# Altium PCB spin5v1_simple.PcbDoc (part 23 of 25)
Units mm, origin at the board's own origin, x right, y up, seen from the top; angles counter-clockwise.
Board outline 220.03 x 233.43 mm, 2 copper layers (TOP, BOTTOM), stack 0.176 mm thick; 1457 components, 4724 nets, 19245 pads, 25289 vias.
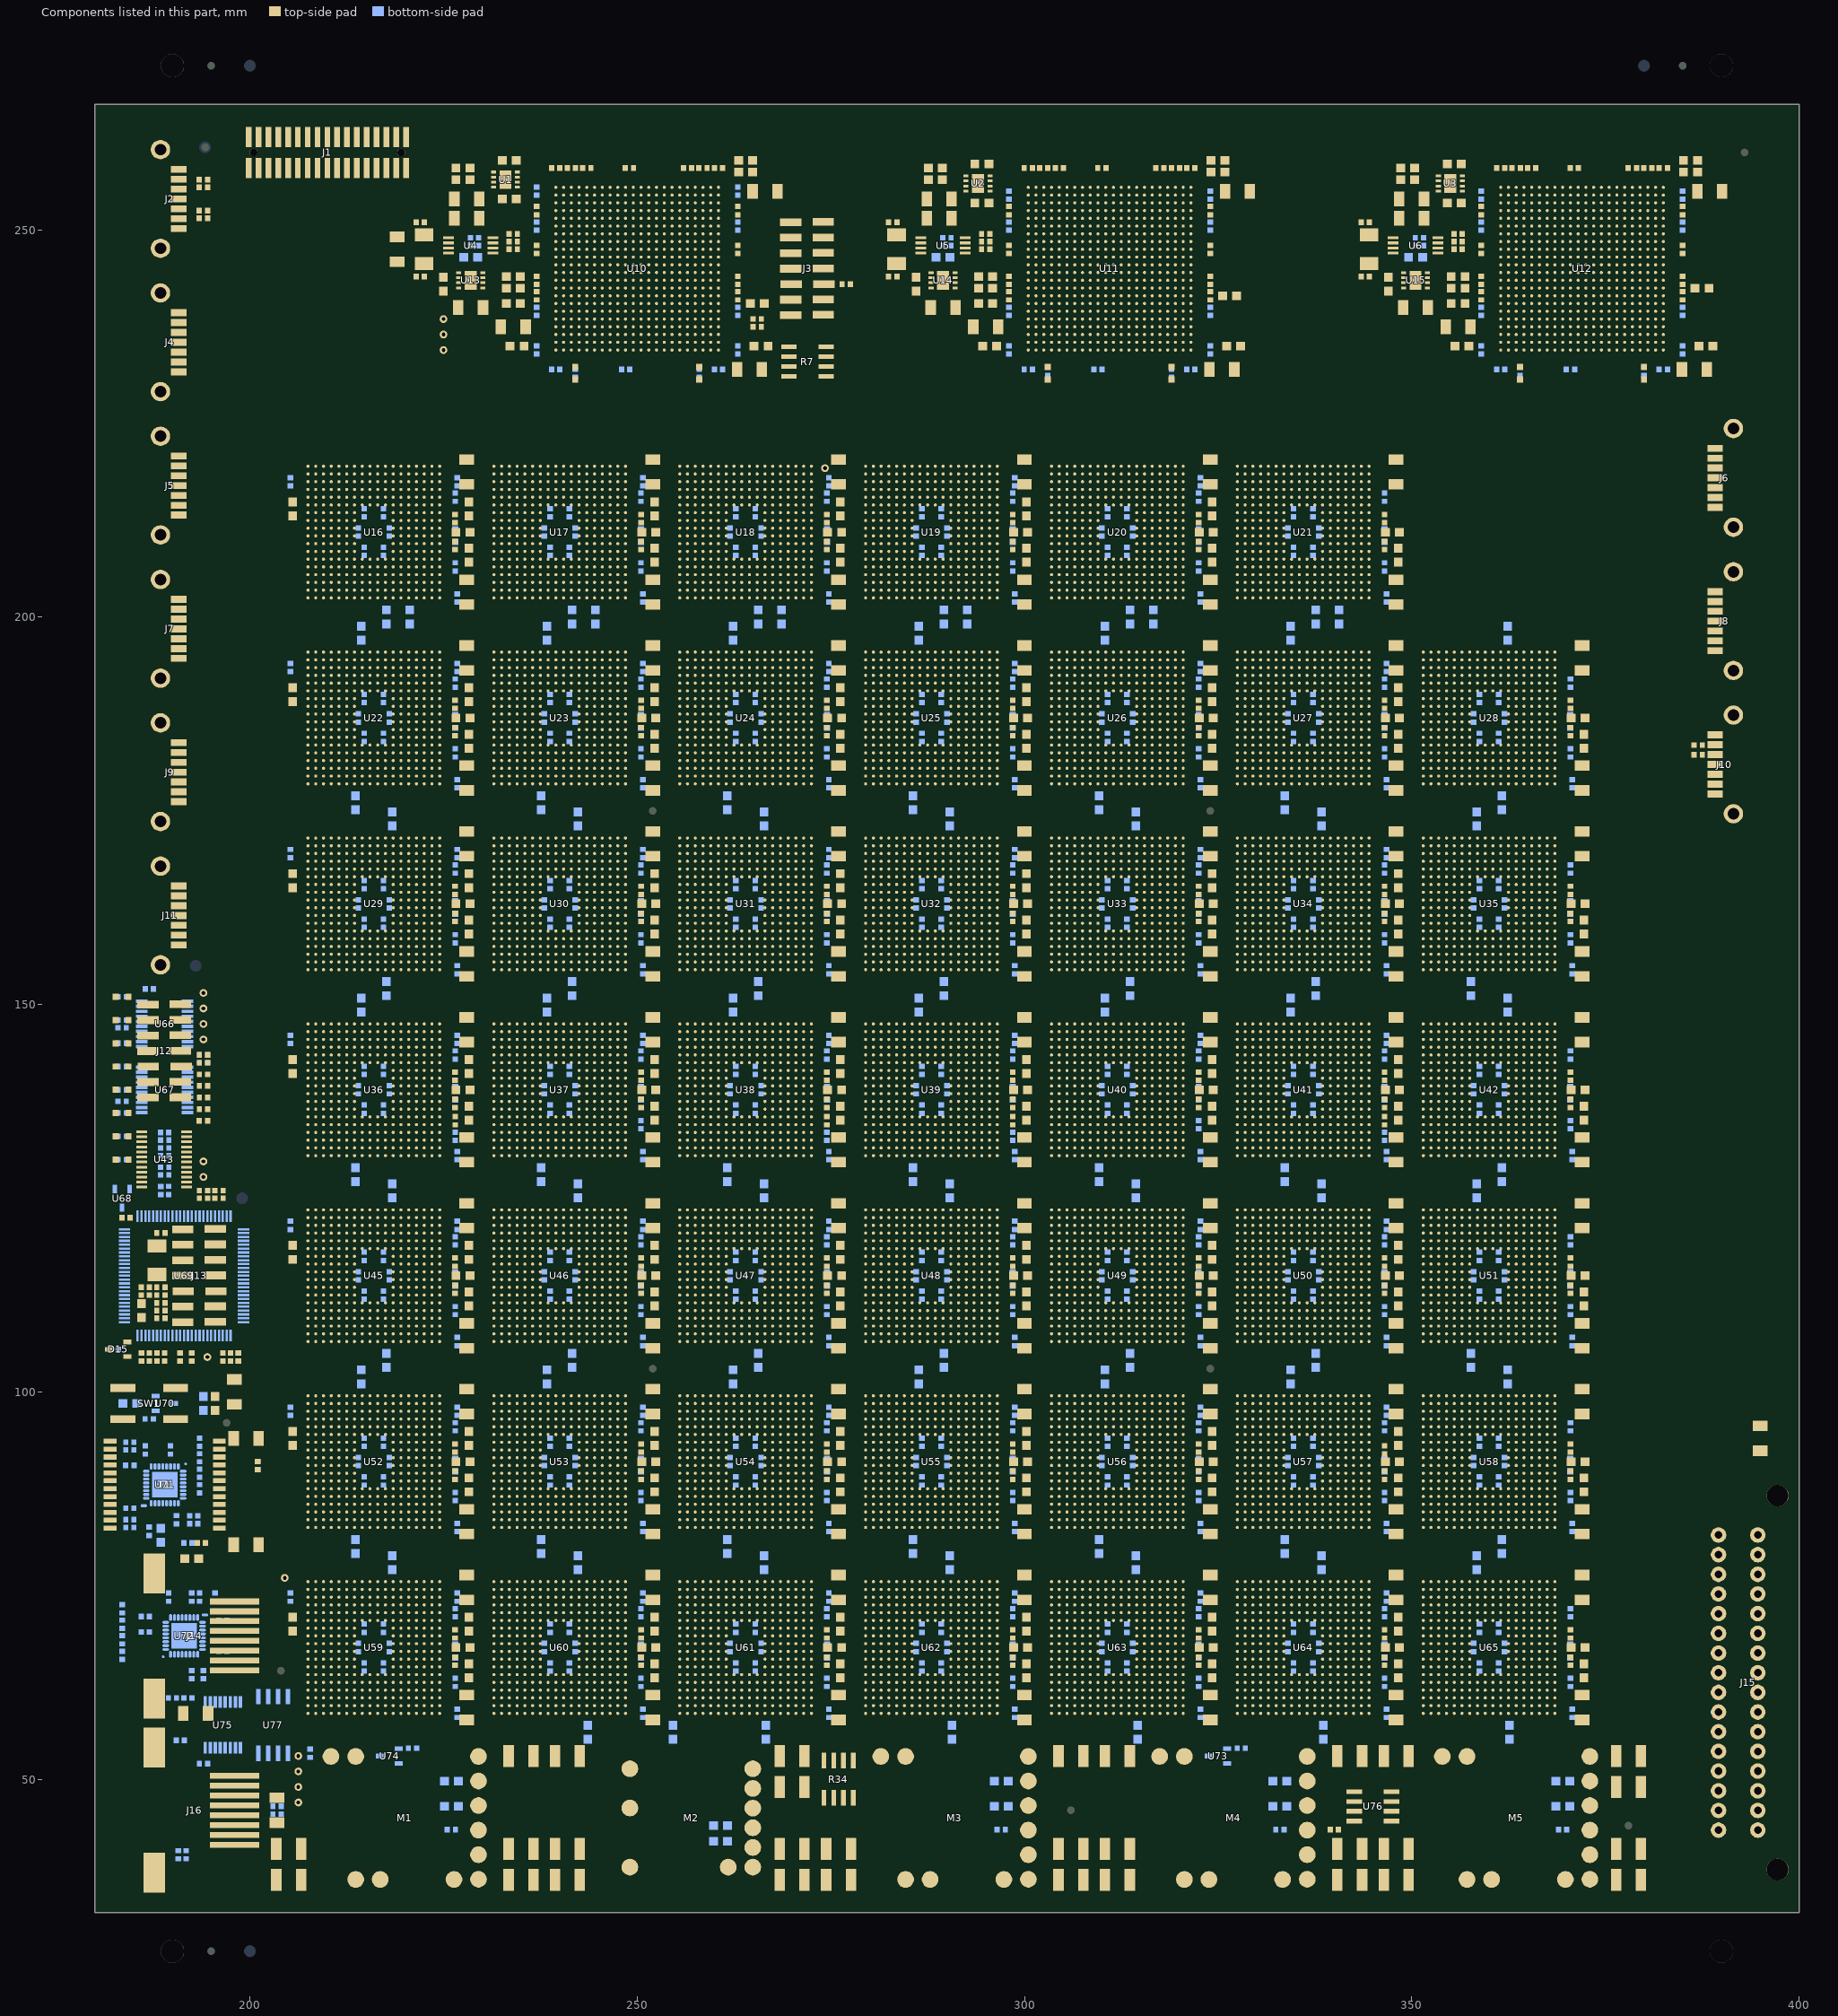
[diagram p23: the components of this part, seen from the top]

## Via types
v1: diameter 0.48, hole 0.25, TOP to BOTTOM, 22348 vias
v2: diameter 0.61, hole 0.3, TOP to BOTTOM, 2059 vias
v3: diameter 0.8, hole 0, TOP to BOTTOM, 882 vias

## Nets (pads, with @x,y where several pads share a name; then routed paths per layer and width w, separated by ;. In a path a pad name is that pad's centre, name@x,y a point inside that pad or via, vN(x,y) a via of type N, cw(c..) or ccw(c..) an arc to the next point about the centre after c; other vN are vias at no path point) (continued)
copper on no net: | length 1093.1
  TOP w0.062: 181.275,164.725 v3@186.538,159.462 ; 181.275,222.675 185.9,227.3 ; 181.6,164.86 182.701,163.759 182.877,163.759 183.316,164.198 183.492,164.198 183.67,164.02 183.67,163.844 183.231,163.405 183.231,163.229 183.409,163.051 183.585,163.051 184.024,163.49 184.2,163.49 184.378,163.312 184.378,163.136 183.939,162.697 183.939,162.521 v3@186.673,159.787 ; 181.6,222.54 186.035,226.975 ; 181.95,82.41 181.95,81.55 183.433,80.067 ; 181.95,84.45 183.083,84.45 184.084,83.449 184.084,80.259 183.892,80.067 ; 181.95,85.47 183.746,85.47 183.778,85.438 184.046,85.438 184.171,85.313 ; 181.95,87.51 182.836,87.51 184.496,85.85 184.496,85.638 ; 182.075,167.365 186.228,163.212 ; 182.075,222.075 186.5,226.5 ; 182.4,167.5 182.984,166.916 183.16,166.916 183.306,167.062 183.482,167.062 183.66,166.884 183.66,166.708 183.514,166.562 183.514,166.386 v3@186.363,163.537 ; 182.4,221.94 186.635,226.175 ; 182.875,215.466 183.366,214.975 ; 182.875,221.535 187.04,225.7 ; 183.2,215.601 183.501,215.3 ; 183.2,221.4 187.175,225.375 ; 183.5,48.857 184.457,47.9 ; 183.825,48.992 v3@184.592,48.225 ; 183.905,215.3 184.03,215.425 184.03,215.929 184.155,216.054 184.405,216.054 184.53,215.929 184.53,215.425 184.655,215.3 ; 183.967,218.962 184.172,219.167 ; 183.967,219.831 184.234,219.564 ; 184.171,83.888 184.927,83.132 ; 184.23,214.975 184.33,214.975 ; 184.369,219.229 184.856,218.742 ; 184.496,84.023 185.252,83.267 ; 184.499,219.559 184.991,219.067 ; 184.927,51.971 186.486,50.412 ; 185.171,215.3 185.296,215.425 185.296,215.872 185.421,215.997 185.671,215.997 185.796,215.872 185.796,215.425 185.921,215.3 ; 185.252,52.106 186.621,50.737 ; 185.496,214.975 185.596,214.975 ; 186.101,47.9 186.226,47.775 186.226,46.944 186.351,46.819 186.601,46.819 186.726,46.944 186.726,47.775 186.851,47.9 ; v3@186.426,48.225 v3@186.526,48.225 ; 187.101,47.9 187.226,47.775 187.226,46.944 187.351,46.819 187.601,46.819 187.726,46.944 187.726,47.775 187.851,47.9 ; v3@187.133,50.412 187.258,50.287 187.258,49.625 187.383,49.5 187.633,49.5 187.758,49.625 187.758,50.287 187.883,50.412 ; 187.426,48.225 187.526,48.225 ; v3@187.458,50.737 v3@187.558,50.737 ; 188.05,218.675 188.255,218.47 ; 188.05,219.134 188.255,219.339 ; 188.101,47.9 188.226,47.775 188.226,46.944 188.351,46.819 188.601,46.819 188.726,46.944 188.726,47.775 188.851,47.9 ; 188.195,159.395 188.4,159.19 ; 188.195,159.854 188.4,160.059 ; 188.311,163.145 188.516,162.94 ; 188.311,163.604 188.516,163.809 ; v3@188.426,48.225 v3@188.526,48.225 ; 188.44,236.971 188.645,237.176 ; 188.44,237.84 188.645,237.635 ; 188.579,214.908 188.784,214.703 ; 188.579,215.367 188.784,215.572 ; 189.101,47.9 189.226,47.775 189.226,46.944 189.351,46.819 189.601,46.819 189.726,46.944 189.726,47.775 189.851,47.9 ; 189.426,48.225 189.526,48.225 ; 190.101,47.9 190.226,47.775 190.226,46.944 190.351,46.819 190.601,46.819 190.726,46.944 190.726,47.775 190.851,47.9 ; 190.3,227.3 192.8,229.8 ; v3@190.426,48.225 v3@190.526,48.225 ; 190.435,226.975 192.935,229.475 ; 190.71,91.722 190.895,91.722 191.325,91.292 191.757,91.292 193.524,93.059 ; 191.044,226.5 193.544,229 ; 191.101,47.9 191.226,47.775 191.226,46.944 191.351,46.819 191.601,46.819 191.726,46.944 191.726,47.775 191.851,47.9 ; 191.179,226.175 193.679,228.675 ; 191.426,48.225 191.526,48.225 ; v1(191.579,91.722) 191.591,91.722 191.711,91.842 191.847,91.842 193.389,93.384 ; 191.7,225.7 194.2,228.2 ; 191.835,225.375 194.335,227.875 ; 192.101,47.9 192.226,47.775 192.226,46.944 192.351,46.819 192.601,46.819 192.726,46.944 192.726,47.775 192.851,47.9 ; v3@192.426,48.225 v3@192.526,48.225 ; 192.975,177.865 193.18,177.66 ; 192.975,178.324 193.18,178.529 ; 192.975,181.675 193.18,181.47 ; 192.975,182.134 193.18,182.339 ; 192.975,196.365 193.18,196.16 ; 192.975,196.824 193.18,197.029 ; 192.975,200.175 193.18,199.97 ; 192.975,200.634 193.18,200.839 ; 192.975,233.365 193.18,233.16 ; 192.975,233.824 193.18,234.029 ; 193.363,50.737 194.038,51.412 ; 193.498,50.412 194.173,51.087 ; 193.874,93.059 194.143,92.79 194.143,92.34 194.639,91.844 195.796,91.844 196.05,91.59 ; 194.199,93.384 195.804,93.384 196.05,93.63 ; 194.502,48.225 194.747,48.47 ; 194.77,47.9 195.015,48.145 ; 196.05,82.41 197.024,82.41 197.835,83.221 ; 196.05,84.45 197.066,84.45 197.835,83.681 ; 196.05,85.47 196.941,85.47 197.704,86.233 ; 196.05,87.51 196.887,87.51 197.704,86.693 ; 196.05,88.53 196.313,88.793 196.939,88.793 ; 196.05,90.57 196.316,90.304 196.871,90.304 197.216,89.959 197.216,89.166 ; 197.192,88.793 197.198,88.793 ; 197.298,88.693 v1(197.926,88.065) ; 197.333,89.118 197.517,88.934 197.523,88.934 v1(197.926,88.934) ; 197.755,48.145 198,47.9 ; 198,44.09 200.795,44.09 201.838,45.133 201.838,47.885 201.253,48.47 198.08,48.47 ; 198,49.17 201.328,49.17 201.453,49.295 201.453,49.518 201.511,49.576 ; 198,50.44 201.328,50.44 201.453,50.315 201.453,50.093 201.511,50.035 ; 198.511,86.199 198.663,86.047 v1(198.768,86.047) ; 198.511,86.659 v1(198.768,86.916) ; v1@199.674,83.234 v1(199.795,83.113) ; 199.674,83.693 199.795,83.814 v1(199.795,83.982) ; 201.708,49.973 202.042,50.307 ; 201.838,49.643 202.367,50.172 ; 201.85,51.087 202.042,50.895 ; 201.985,51.412 202.367,51.03 ; 234.53,247.5 235.029,247.5 235.299,247.77 ; 234.53,248.5 235.028,248.5 235.299,248.229 ; 235.496,248.167 235.83,248.501 ; 235.626,247.837 236.155,248.366 ; 235.83,251.838 235.705,251.963 235.322,251.963 235.197,252.088 235.197,252.338 235.322,252.463 235.705,252.463 235.83,252.588 ; 235.83,258.105 237.55,259.825 ; 236.155,252.163 236.155,252.263 ; 236.155,257.97 237.685,259.5 ; 237.039,257.679 237.073,257.713 ; 237.072,256.777 237.051,256.798 237.051,257.083 237.469,257.501 ; 237.144,257.911 238.233,259 ; 237.54,257.847 238.368,258.675 ; 244.11,255.339 244.5,254.949 244.5,254.5 ; 244.11,256.203 244.565,256.658 ; 244.338,258.675 244.565,258.448 ; 244.435,255.624 244.5,255.559 244.5,255.5 ; 244.435,256.068 244.89,256.523 ; 244.473,259 244.89,258.583 ; 245.304,258.752 245.553,258.502 245.554,258.501 ; 245.597,255.954 245.955,255.596 ; 246.013,258.501 246.173,258.661 246.173,258.752 ; 248.5,254.5 249,255 ; 248.5,255.5 249,256 ; 249.723,259.5 250.705,258.518 ; 249.858,259.825 251.03,258.653 ; 250.705,256.483 250.705,256.313 250.11,255.718 250.11,255.339 250.339,255.11 250.89,255.11 251,255 ; 251,256 251.01,256.01 251.01,256.158 251.03,256.178 ; 252.175,255.82 252.175,255.726 252.11,255.661 252.11,255.339 252.5,254.949 252.5,254.5 ; 252.175,257.175 258.025,263.025 ; 252.5,255.5 252.455,255.455 252.455,255.495 252.5,255.54 ; 252.5,257.04 258.16,262.7 ; 254.5,254.5 254.837,254.837 255.098,254.837 255.11,254.849 255.11,255.46 ; 254.5,255.5 254.656,255.656 ; 254.785,255.796 255.088,256.099 ; 255.088,259.207 256.381,260.5 ; 255.239,255.79 255.413,255.964 ; 255.413,259.072 256.516,260.175 ; 277.319,260.175 278.367,259.127 ; 277.454,260.5 278.692,259.262 ; 278.367,254.585 278.369,254.583 278.369,254.395 ; 278.369,253.463 279.408,252.424 ; 278.692,254.908 278.692,254.72 278.694,254.718 ; 278.694,253.598 279.543,252.749 ; 279.122,254.898 279.122,255.159 279.552,255.589 279.552,255.945 279.447,256.05 ; 279.122,259.122 282.225,262.225 ; 279.447,258.987 282.36,261.9 ; 281.312,252.359 281.574,252.097 281.654,252.097 ; 281.312,252.818 281.394,252.9 281.7,252.9 ; 303.622,259.846 304.089,260.313 304.632,260.313 304.916,260.029 ; 304.491,259.846 304.633,259.704 ; 305.11,255.24 305.11,254.89 305.5,254.5 ; 305.11,256.566 307.996,259.452 ; 305.435,255.565 305.5,255.5 ; 305.435,256.431 308.131,259.127 ; 307,255 307.5,254.5 ; 307,256 307.5,255.5 ; 309.112,260.029 309.186,260.103 309.186,260.165 309.143,260.208 ; 309.247,259.704 309.751,260.208 310.012,260.208 ; 310.584,259.452 310.647,259.452 310.774,259.579 ; 310.782,259.127 310.842,259.187 ; 310.909,259.254 310.972,259.254 ; 310.976,259.646 311.014,259.684 311.119,259.684 ; 311.234,259.254 311.538,259.254 311.574,259.218 ; 311.94,261.9 313.5,260.34 ; 312.075,262.225 313.825,260.475 ; 313.5,254.5 313.5,254.949 313.89,255.339 313.89,255.661 313.825,255.726 ; 333.64,229.8 334.3,230.46 ; 333.775,229.475 334.625,230.325 ; 333.84,229 335.1,230.26 ; 333.975,228.675 335.425,230.125 ; 334.04,228.2 335.9,230.06 ; 334.175,227.875 336.225,229.925 ; 334.3,260.1 336.4,262.2 ; 334.625,259.965 336.535,261.875 ; 335.1,259.66 336.84,261.4 ; 335.425,259.525 336.975,261.075 ; 335.9,259.3 337.2,260.6 ; 336.225,259.165 337.335,260.275 ; 356.53,247.5 357.029,247.5 357.299,247.77 ; 356.53,248.5 357.028,248.5 357.299,248.229 ; 357.496,248.167 357.879,248.55 ; 357.626,247.837 358.204,248.415 ; 357.879,249.869 357.754,249.994 357.355,249.994 357.23,250.119 357.23,250.369 357.355,250.494 357.754,250.494 357.879,250.619 ; 357.879,250.869 357.754,250.994 357.355,250.994 357.23,251.119 357.23,251.369 357.355,251.494 357.754,251.494 357.879,251.619 ; 357.879,256.725 360.928,259.774 ; 358.204,250.194 358.204,250.294 ; 358.204,251.194 358.204,251.294 ; 358.204,256.591 361.062,259.449 ; 361.523,259.449 361.628,259.344 361.984,259.344 362.414,259.774 362.675,259.774 ; 366.19,260.275 366.887,259.578 ; 366.325,260.6 367.212,259.713 ; 366.5,254.5 366.5,254.949 367.07,255.519 ; 366.5,255.5 366.523,255.523 366.567,255.523 366.59,255.5 ; 366.59,255.499 366.745,255.654 ; 366.745,256.641 366.887,256.783 366.887,256.831 ; 367,253 367.5,252.5 ; 367,254 367.5,253.5 ; 367.07,256.458 367.07,256.506 367.212,256.648 ; 368.087,255.263 368.087,254.913 368.5,254.5 ; 368.087,257.241 368.951,258.105 ; 368.412,255.588 368.5,255.5 ; 368.412,257.106 369.086,257.78 ; 369,253 369.5,252.5 ; 369,254 369.5,253.5 ; 369.359,260.592 369.631,260.32 369.892,260.32 370.05,260.162 370.406,260.162 370.511,260.267 ; 369.403,257.713 369.608,257.508 ; 369.403,258.172 369.608,258.377 ; 370,255 370.5,254.5 ; 370,256 370.5,255.5 ; 370.84,260.267 372.745,258.362 ; 370.974,260.592 373.07,258.496 ; 372.745,256.684 372.75,256.679 372.75,256.494 ; 372.75,256.358 372.57,256.178 372.57,256.121 372.11,255.661 372.11,255.339 372.339,255.11 372.89,255.11 373,255 ; 373,256 373.075,256.075 ; 373.07,257.004 373.07,256.819 373.075,256.814 ; 373.1,228.1 373.258,228.1 374.158,229 374.467,229 ; 373.5,252.5 374,253 ; 373.5,253.5 374,254 ; 373.612,261.075 374.509,260.178 ; 373.747,261.4 374.834,260.313 ; 373.947,228.015 374.132,228.015 374.792,228.675 ; 374.433,261.875 375.418,260.89 ; 374.5,254.5 374.5,254.949 374.11,255.339 374.11,255.661 374.509,256.06 ; 374.5,255.5 374.5,255.591 374.834,255.925 ; 374.568,262.2 375.743,261.025 ; 375.418,259.802 375.418,259.614 375.311,259.507 375.311,259.151 375.741,258.721 375.741,258.46 ; 375.741,259.329 375.741,259.477 375.743,259.479 ; 376.5,254.5 376.838,254.838 377.097,254.838 377.11,254.851 377.11,255.461 377.11,255.661 377.111,255.662 ; 376.5,255.5 376.656,255.656 376.786,255.786 376.786,255.986 ; 376.786,259.346 378.84,261.4 ; 377.111,259.211 378.975,261.075 ; 385.475,183.741 385.935,183.281 385.935,183.175 385.935,183.052 386.47,182.517 386.47,182.25 ; 385.475,188.361 387.022,189.908 ; 385.8,183.876 386.176,183.5 386.26,183.5 386.47,183.5 ; 385.8,188.226 387.157,189.583 ; 388.325,261.075 397.8,251.6 ; 388.46,261.4 398.125,251.735 ; 389.964,189.908 390.089,190.033 390.089,190.189 390.214,190.314 390.464,190.314 390.589,190.189 390.589,190.033 390.714,189.908 ; 390.289,189.583 390.389,189.583 ; 391.355,178.865 391.56,178.66 ; 391.355,179.324 391.56,179.529 ; 391.355,197.365 391.56,197.16 ; 391.355,197.824 391.56,198.029 ; 391.355,201.175 391.56,200.97 ; 391.355,201.634 391.56,201.839 ; 391.355,215.865 391.56,215.66 ; 391.355,216.324 391.56,216.529 ; 391.355,219.675 391.56,219.47 ; 391.355,220.134 391.56,220.339 ; v3@393.248,189.908 398.6,195.26 ; v3@393.383,189.583 398.925,195.125 ; 393.9,262.7 398.6,258 ; 394.035,263.025 398.925,258.135 ; 395.54,229 397.8,231.26 ; 395.675,228.675 398.125,231.125
  TOP w0.063: 245,253 245.5,252.5 ; 245,254 245.5,253.5 ; 247,253 247.5,252.5 ; 247,254 247.5,253.5 ; 251.5,252.5 252,253 ; 251.5,253.5 252,254 ; 253.5,252.5 254,253 ; 253.5,253.5 254,254 ; 306,253 306.5,252.5 ; 306,254 306.5,253.5 ; 308,253 308.5,252.5 ; 308,254 308.5,253.5 ; 312.5,252.5 313,253 ; 312.5,253.5 313,254 ; 314.5,252.5 315,253 ; 314.5,253.5 315,254
  BOTTOM w0.062: 181.301,67.956 182.419,66.838 ; 181.301,69.186 181.301,69.286 ; 181.301,75.678 183.863,78.24 ; 181.626,68.091 182.554,67.163 ; 181.626,68.861 181.751,68.986 182.266,68.986 182.391,69.111 182.391,69.361 182.266,69.486 181.751,69.486 181.626,69.611 ; 181.626,75.543 183.998,77.915 ; 182.062,71.194 182.419,70.837 ; 182.062,74.997 184.319,77.254 ; 182.387,71.329 182.554,71.162 ; 182.387,74.862 184.454,76.929 ; 183.26,66.77 183.5,66.53 183.74,66.77 ; 183.26,67.23 183.5,67.47 183.74,67.23 ; 183.26,70.77 183.5,70.53 183.576,70.53 183.811,70.765 ; 183.26,71.23 183.5,71.47 183.565,71.47 183.811,71.224 ; 183.967,218.962 184.4,219.395 184.4,219.563 ; 183.967,219.831 184.018,219.831 184.075,219.888 ; 184.075,259.38 188.52,263.825 ; 184.27,70.797 185.036,70.031 ; 184.4,259.245 188.655,263.5 ; 184.405,71.122 185.171,70.356 ; v3@184.875,184.201 187.321,181.755 ; 184.875,259.341 188.559,263.025 ; v3@185.2,184.336 185.718,183.818 185.894,183.818 186.123,184.047 186.299,184.047 186.477,183.869 186.477,183.693 186.248,183.464 186.248,183.288 187.456,182.08 ; v3@185.2,259.207 188.693,262.7 ; 185.651,76.929 185.776,76.804 185.776,76.33 185.901,76.205 186.151,76.205 186.276,76.33 186.276,76.804 186.401,76.929 ; 185.675,197.379 v3@186.622,196.432 ; 185.675,225.675 186.5,226.5 ; 185.976,77.254 186.076,77.254 ; 186,197.514 v3@186.757,196.757 ; 186,225.54 186.635,226.175 ; 186.275,236.429 189.272,233.432 ; v3@186.275,257.135 187.765,258.625 ; 186.475,201.311 187.544,200.242 ; 186.475,225.135 187.04,225.7 ; 186.493,67.162 187.993,68.662 ; 186.6,236.564 187.194,235.97 187.37,235.97 187.71,236.31 187.886,236.31 188.064,236.132 188.064,235.956 187.724,235.616 187.724,235.44 187.902,235.262 188.078,235.262 188.418,235.602 188.594,235.602 188.772,235.424 188.772,235.248 188.432,234.908 188.432,234.732 189.402,233.762 ; v3@186.6,257 187.9,258.3 ; 186.628,66.837 188.128,68.337 ; 186.8,201.446 187.679,200.567 ; 186.8,225 187.175,225.375 ; v3@187.202,196.757 187.327,196.882 187.327,197.363 187.452,197.488 187.702,197.488 187.827,197.363 187.827,196.882 187.952,196.757 ; 187.209,70.031 187.902,69.338 ; 187.344,70.356 188.037,69.663 ; 187.527,196.432 187.627,196.432 ; v3@187.877,178.431 188.378,177.93 ; 187.877,179.412 188.506,180.041 ; 188.021,200.567 188.146,200.692 188.146,200.819 188.271,200.944 188.521,200.944 188.646,200.819 188.646,200.692 188.771,200.567 ; v3@188.202,178.566 188.513,178.255 ; 188.202,179.277 188.641,179.716 ; 188.202,196.757 188.327,196.882 188.327,197.363 188.452,197.488 188.702,197.488 188.827,197.363 188.827,196.882 188.952,196.757 ; 188.255,218.47 188.46,218.675 ; 188.255,219.339 188.46,219.134 ; 188.346,200.242 188.446,200.242 ; 188.4,159.19 188.605,159.395 ; 188.4,160.059 188.605,159.854 ; 188.44,236.971 188.645,237.176 ; 188.44,237.84 188.645,237.635 ; 188.516,162.94 188.721,163.145 ; 188.516,163.809 188.721,163.604 ; 188.527,196.432 188.627,196.432 ; 188.564,68.27 188.584,68.25 189.125,68.25 ; 188.564,68.729 188.585,68.75 189.125,68.75 ; 188.564,69.271 188.585,69.25 189.125,69.25 ; 188.564,69.73 188.584,69.75 189.125,69.75 ; 188.784,214.703 188.989,214.908 ; 188.784,215.572 188.989,215.367 ; 189.5,226.5 194,231 ; 189.537,233.427 189.657,233.307 189.657,233.085 189.782,232.96 190.28,232.96 ; 189.599,196.365 189.657,196.307 189.657,196.085 189.782,195.96 190.28,195.96 ; 189.599,196.824 189.657,196.882 189.657,197.105 189.782,197.23 190.28,197.23 ; 189.599,200.175 189.657,200.117 189.657,199.895 189.782,199.77 190.28,199.77 ; 189.599,200.634 189.657,200.692 189.657,200.915 189.782,201.04 190.28,201.04 ; 189.599,218.675 189.657,218.617 189.657,218.395 189.782,218.27 190.28,218.27 ; 189.599,219.134 189.657,219.192 189.657,219.415 189.782,219.54 190.28,219.54 ; 189.599,233.824 189.657,233.882 189.657,234.105 189.782,234.23 190.28,234.23 ; 189.599,237.176 189.657,237.118 189.657,236.895 189.782,236.77 190.28,236.77 ; 189.599,237.635 189.657,237.693 189.657,237.915 189.782,238.04 190.28,238.04 ; 189.635,226.175 194.325,230.865 ; 189.644,181.719 190.093,181.27 190.28,181.27 ; 189.644,182.179 190.005,182.54 190.28,182.54 ; 189.858,177.849 190.247,177.46 190.28,177.46 ; 189.858,178.308 190.28,178.73 ; 189.875,163.175 190.28,162.77 ; 189.875,163.635 190.28,164.04 ; 189.888,159.379 190.28,158.987 190.28,158.96 ; 189.888,159.838 190.28,160.23 ; 189.897,214.888 190.28,214.505 190.28,214.46 ; 189.897,215.347 190.28,215.73 ; 190.244,225.7 194.8,230.256 ; 190.379,225.375 195.125,230.121 ; 191.34,177.46 191.838,177.46 191.963,177.585 191.963,177.807 192.021,177.865 ; 191.34,178.73 191.838,178.73 191.963,178.605 191.963,178.382 192.021,178.324 ; 191.34,181.27 191.838,181.27 191.963,181.395 191.963,181.617 192.021,181.675 ; 191.34,182.54 191.838,182.54 191.963,182.415 191.963,182.192 192.021,182.134 ; 191.34,195.96 191.838,195.96 191.963,196.085 191.963,196.307 192.021,196.365 ; 191.34,197.23 191.838,197.23 191.963,197.105 191.963,196.882 192.021,196.824 ; 191.34,199.77 191.838,199.77 191.963,199.895 191.963,200.117 192.021,200.175 ; 191.34,201.04 191.838,201.04 191.963,200.915 191.963,200.692 192.021,200.634 ; 191.34,232.96 191.838,232.96 191.963,233.085 191.963,233.307 192.021,233.365 ; 191.34,234.23 191.838,234.23 191.963,234.105 191.963,233.882 192.021,233.824 ; 191.34,236.77 191.745,237.175 ; 191.34,238.04 191.745,237.635 ; 191.375,86.75 191.955,86.75 192.792,85.913 ; v3@191.375,87.25 191.915,87.25 192.927,86.238 ; v3@191.375,87.75 191.916,87.75 191.936,87.77 ; 191.375,88.25 191.915,88.25 191.936,88.229 ; v1(191.579,91.722) 191.579,92.109 191.807,92.337 ; 192.27,88.162 192.673,88.565 ; 192.405,87.837 192.808,88.24 ; 192.538,237.547 193.2,238.209 ; 192.58,180.041 193.621,181.082 193.621,181.372 ; 192.673,237.222 193.525,238.074 ; 192.715,179.716 194.071,181.072 194.233,181.072 194.358,181.197 194.358,181.447 194.233,181.572 194.071,181.572 193.946,181.697 ; 192.975,177.865 193.18,177.66 ; 192.975,178.324 193.18,178.529 ; 192.975,181.675 193.18,181.47 ; 192.975,182.134 193.18,182.339 ; 192.975,196.365 193.18,196.16 ; 192.975,196.824 193.18,197.029 ; 192.975,200.175 193.18,199.97 ; 192.975,200.634 193.18,200.839 ; 192.975,233.365 193.18,233.16 ; 192.975,233.824 193.18,234.029 ; 193.114,88.124 193.208,88.03 193.5,88.03 194.014,88.03 194.254,88.27 ; 193.114,88.584 193.5,88.97 194.013,88.97 194.254,88.729 ; 193.2,254.76 194.465,256.025 ; 193.26,92.27 193.5,92.03 193.74,92.27 ; 193.26,92.73 193.5,92.97 193.74,92.73 ; 193.525,254.625 194.6,255.7 ; 193.621,182.272 193.621,182.372 ; 193.621,183.272 193.621,183.372 ; 193.621,184.272 193.621,184.372 ; 193.621,185.272 193.621,185.372 ; 193.621,227.621 195,229 ; 193.946,181.947 194.071,182.072 194.233,182.072 194.358,182.197 194.358,182.447 194.233,182.572 194.071,182.572 193.946,182.697 ; 193.946,182.947 194.071,183.072 194.233,183.072 194.358,183.197 194.358,183.447 194.233,183.572 194.071,183.572 193.946,183.697 ; 193.946,183.947 194.071,184.072 194.233,184.072 194.358,184.197 194.358,184.447 194.233,184.572 194.071,184.572 193.946,184.697 ; 193.946,184.947 194.071,185.072 194.233,185.072 194.358,185.197 194.358,185.447 194.233,185.572 194.071,185.572 193.946,185.697 ; 193.946,227.486 195.135,228.675 ; 194,254.26 194.965,255.225 ; 194.21,86.238 195.492,87.52 ; 194.325,254.125 195.1,254.9 ; 194.345,85.913 195.627,87.195 ; 194.669,92.338 194.794,92.213 194.794,91.787 194.919,91.662 195.169,91.662 195.294,91.787 195.294,92.213 195.419,92.338 ; 194.8,253.66 195.565,254.425 ; 194.994,92.663 195.094,92.663 ; 195.125,253.525 195.7,254.1 ; 195.138,88.337 195.263,88.212 195.263,88.127 195.388,88.002 195.638,88.002 195.763,88.127 195.763,88.212 195.888,88.337 ; 195.248,258.625 198.848,262.225 ; 195.383,258.3 198.983,261.9 ; 195.463,88.662 195.563,88.662 ; 195.667,252.293 195.72,252.293 195.964,252.537 196.284,252.537 ; 195.669,92.338 195.794,92.213 195.794,91.787 195.919,91.662 196.169,91.662 196.294,91.787 196.294,92.213 196.419,92.338 ; 195.918,253.437 196.348,253.007 196.965,253.007 197.258,253.3 ; 195.994,92.663 196.094,92.663 ; 196.504,252.107 196.609,252.212 ; 196.669,92.338 196.794,92.213 196.794,91.787 196.919,91.662 197.169,91.662 197.294,91.787 197.294,92.213 197.419,92.338 ; 196.787,253.437 196.819,253.437 197.007,253.625 ; 196.994,92.663 197.094,92.663 ; 197.163,252.537 197.451,252.825 ; 197.298,252.212 197.586,252.5 ; 197.721,88.27 v1(197.926,88.065) ; 197.721,88.729 v1(197.926,88.934) ; 197.795,78.24 198.41,78.855 ; 197.93,77.915 198.735,78.72 ; 198.044,92.338 198.441,91.941 ; 198.057,77.254 199.359,78.556 ; 198.179,92.663 198.766,92.076 ; 198.192,76.929 199.684,78.421 ; 198.249,87.52 198.441,87.712 ; 198.384,87.195 198.766,87.577 ; 198.41,85.797 198.338,85.869 198.338,86.225 198.768,86.655 v1(198.768,86.916) ; v1@198.735,86.014 v1(198.768,86.047) ; 199.359,83.285 199.795,83.721 v1(199.795,83.982) ; v1@199.684,83.002 v1(199.795,83.113) ; 218.265,256.025 223.665,261.425 ; 218.4,255.7 220.197,257.497 220.373,257.497 220.531,257.339 220.707,257.339 220.885,257.517 220.885,257.693 220.727,257.851 220.727,258.027 220.905,258.205 221.081,258.205 221.239,258.047 221.415,258.047 221.593,258.225 221.593,258.401 221.435,258.559 221.435,258.735 223.8,261.1 ; 219.265,255.225 224.665,260.625 ; 219.4,254.9 224.8,260.3 ; 220.265,254.425 225.665,259.825 ; 220.4,254.1 225.8,259.5 ; 221.265,253.625 225.065,257.425 ; 221.4,253.3 225.2,257.1 ; 229.525,257.425 229.843,257.743 ; 229.66,257.1 230.17,257.61 ; 229.845,258.01 230.335,258.5 ; 230.172,257.877 230.47,258.175 ; 232.459,252.825 234.119,254.485 234.119,254.661 234.06,254.72 234.06,254.896 234.238,255.074 234.414,255.074 234.473,255.015 234.649,255.015 237.039,257.405 237.039,257.679 ; 232.594,252.5 236.683,256.589 236.884,256.589 237.072,256.777 ; 236.225,258.5 236.725,259 ; 236.36,258.175 236.86,258.675 ; 244.245,255.687 244.521,255.411 ; 244.245,256.313 244.565,256.633 ; 244.338,258.675 244.565,258.448 ; 244.473,259 244.89,258.583 ; 244.521,253.871 244.839,253.553 244.839,253.161 245,253 ; 244.57,255.822 244.846,255.546 ; 244.57,256.178 244.89,256.498 ; 244.846,254.154 245,254 ; 245.024,259.5 245.366,259.158 ; 245.159,259.825 245.729,259.255 ; 245.304,258.752 245.404,258.852 ; 245.602,260.3 247.266,258.636 ; 245.737,260.625 247.591,258.771 ; 245.767,259.023 245.854,258.936 245.913,258.936 246.097,258.752 246.173,258.752 ; 247,253 247.57,253.57 247.57,253.92 ; 247,254 247.144,254.144 ; 247.245,254.313 247.449,254.517 ; 247.266,256.687 247.449,256.504 247.449,256.497 ; 247.591,256.829 247.591,256.822 247.774,256.639 ; 247.671,254.279 247.774,254.382 ; 249,255 249,255.143 249.189,255.332 ; 249,256 249.194,255.806 249.194,255.787 ; 250.73,255.27 251,255 ; 250.73,255.73 251,256 ; 252,253 252.57,253.57 252.57,253.92 ; 252,254 252.144,254.144 ; 252.245,254.313 252.588,254.656 ; 252.588,257.588 255.5,260.5 ; 252.671,254.279 252.913,254.521 ; 252.913,257.453 255.635,260.175 ; 253.245,254.363 253.57,254.038 253.57,253.822 254,253.392 254,253 ; 253.245,256.416 255.226,258.397 ; 253.57,254.498 254,254.068 254,254 ; 253.57,256.281 255.361,258.072 ; 269.919,258.072 270.044,257.947 270.044,257.861 270.169,257.736 270.419,257.736 270.544,257.861 270.544,257.947 270.669,258.072 ; 270.244,258.397 270.344,258.397 ; 270.919,258.072 271.044,257.947 271.044,257.861 271.169,257.736 271.419,257.736 271.544,257.861 271.544,257.947 271.669,258.072 ; 271.244,258.397 271.344,258.397 ; 278.387,229 278.975,229.588 ; 278.522,228.675 279.3,229.453 ; 278.975,254.437 278.692,254.72 278.692,255.076 279.122,255.506 279.122,255.767 ; 279.122,254.898 279.3,254.72 ; 279.213,258.072 279.8,257.485 ; 279.348,258.397 280.125,257.62 ; 279.561,260.175 280.6,259.136 ; 279.696,260.5 280.925,259.271 ; 279.8,229 280.925,227.875 ; 280.125,229.135 281.06,228.2 ; 280.6,229.64 281.565,228.675 ; 280.925,229.775 281.7,229 ; 281.4,230.5 282.425,229.475 ; 281.4,251.695 281.654,251.949 281.654,252.097 ; 281.7,252.9 281.7,252.659 282.084,252.275 282.084,251.919 281.725,251.56 ; 281.725,230.635 282.56,229.8 ; 303.622,259.846 303.883,259.846 304.313,259.416 304.543,259.416 305.82,258.139 ; 303.896,261.1 306.998,257.998 ; 304.031,261.425 307.323,258.133 ; 304.14,261.9 308.245,257.795 ; 304.275,262.225 308.57,257.93 ; 304.44,262.7 309.456,257.684 ; 304.491,259.846 304.578,259.759 304.66,259.759 306.145,258.274 ; 304.575,263.025 309.591,258.009 ; 304.74,263.5 309.777,258.463 ; 304.875,263.825 309.912,258.788 ; 305.11,254.498 305.469,254.139 ; 305.11,256.566 305.82,257.276 ; 305.435,254.633 305.895,254.173 ; 305.435,256.431 306.145,257.141 ; 305.57,253.822 306,253.392 306,253 ; 305.996,254.004 306,254 ; 306.998,256.15 307,256.148 307,256 ; 307,255 307.337,255.337 307.337,255.729 307.43,255.822 307.43,256.178 307.323,256.285 307.323,256.473 ; 308,253 308.57,253.57 308.57,253.92 ; 308,254 308.245,254.245 ; 308.245,254.637 308.43,254.822 308.43,254.827 ; 308.245,255.363 308.43,255.178 308.43,255.173 ; 308.57,254.497 308.57,254.502 308.755,254.687 ; 308.57,255.503 308.57,255.498 308.755,255.313 ; 309.143,260.208 309.468,259.883 309.687,259.883 ; 309.54,229.8 310.872,231.132 ; 309.675,229.475 311.197,230.997 ; 309.729,259.883 309.834,259.778 310.19,259.778 310.295,259.883 ; 310.295,257.684 311.097,256.882 ; 310.43,258.009 311.232,257.207 ; 310.508,260.208 314.125,263.825 ; 310.643,259.883 314.26,263.5 ; 310.872,250.152 311.57,250.85 311.57,250.895 311.57,251.178 311.822,251.43 312.105,251.43 312.149,251.43 312.57,251.851 312.57,251.895 312.57,252.178 312.822,252.43 313.105,252.43 313.149,252.43 313.427,252.708 313.554,252.836 ; 311.119,259.684 311.284,259.684 314.625,263.025 ; 311.197,250.017 311.75,250.57 311.895,250.57 312.178,250.57 312.43,250.822 312.43,251.105 312.43,251.251 312.749,251.57 312.895,251.57 313.178,251.57 313.43,251.822 313.43,252.105 313.43,252.25 313.658,252.478 313.749,252.57 313.895,252.57 314.178,252.57 314.608,253 315,253 ; 311.574,259.218 311.577,259.218 311.629,259.27 311.629,259.569 314.76,262.7 ; 312.57,253.822 313,253.392 313,253 ; 312.57,254.178 312.822,254.43 ; 312.738,256.882 313.5,256.12 ; 312.872,257.207 313.825,256.254 ; 312.895,253.988 312.926,253.957 312.957,253.957 313,254 ; 312.895,254.043 312.957,254.105 ; 313.222,254.43 313.5,254.708 ; 313.357,254.105 313.825,254.573 ; 313.553,252.836 313.57,252.853 313.57,252.895 313.57,253.178 313.932,253.54 314.54,253.54 315,254 ; 313.584,258.788 315.396,260.6 ; 313.719,258.463 315.531,260.275 ; 348.395,260.275 348.52,260.15 348.52,260.068 348.645,259.943 348.895,259.943 349.02,260.068 349.02,260.15 349.145,260.275 ; 348.72,260.6 348.82,260.6 ; 349.395,260.275 349.52,260.15 349.52,260.068 349.645,259.943 349.895,259.943 350.02,260.068 350.02,260.15 350.145,260.275 ; 349.72,260.6 349.82,260.6 ; 350.395,260.275 350.52,260.15 350.52,260.068 350.645,259.943 350.895,259.943 351.02,260.068 351.02,260.15 351.145,260.275 ; 350.72,260.6 350.82,260.6 ; 351.395,260.275 351.52,260.15 351.52,260.068 351.645,259.943 351.895,259.943 352.02,260.068 352.02,260.15 352.145,260.275 ; 351.72,260.6 351.82,260.6 ; 357.972,260.275 360.334,257.913 ; 358.107,260.6 360.469,258.238 ; 361.806,259.774 362.067,259.774 362.497,260.204 362.645,260.204 363.841,261.4 ; 362.675,259.774 363.976,261.075 ; 366.046,257.913 366.745,257.214 ; 366.18,258.238 367.07,257.348 ; 366.745,254.403 366.97,254.178 366.97,254.105 367,254.075 367,254 ; 367,253 367,253.392 367.43,253.822 367.43,254.178 367.07,254.538 ; 368.087,254.521 368.329,254.279 ; 368.087,258.618 369.294,259.825 ; 368.412,254.656 368.755,254.313 ; 368.412,258.483 369.429,259.5 ; 368.43,253.92 368.43,253.57 369,253 ; 368.856,254.144 369,254 ; 369.359,260.592 369.564,260.797 ; 369.545,261.075 369.626,260.994 ; 369.608,257.508 369.608,257.769 369.178,258.199 369.178,258.555 369.43,258.807 369.78,258.807 ; 369.608,258.377 369.682,258.377 369.716,258.411 ; 369.68,261.4 369.956,261.124 ; 370,255 370,255.117 370.212,255.329 ; 370,256 370.212,255.788 ; 370.023,260.797 370.228,260.592 ; 370.625,259.825 373,262.2 ; 370.76,259.5 373.135,261.875 ; 372.717,227.875 372.922,227.67 373.065,227.67 373.135,227.6 373.366,227.6 373.781,228.015 373.947,228.015 ; 372.73,255.27 373,255 ; 372.73,255.73 373,256 ; 373,228.2 373.1,228.1 ; 373.04,258.8 375.64,261.4 ; 373.175,258.475 375.775,261.075 ; 374,253 374,253.392 374.43,253.822 ; 374,254 374.004,254.004 ; 374.105,254.173 374.687,254.755 ; 374.531,254.139 374.822,254.43 ; 374.688,254.755 375.245,255.313 ; 374.823,254.43 375.05,254.657 375.57,255.178 ; 375.245,257.964 375.741,258.46 ; 375.57,257.829 375.771,258.03 375.919,258.03 376.172,258.283 376.172,258.594 376.171,258.595 376.171,258.638 375.741,259.068 375.741,259.329 ; 384.862,228.675 385.475,228.062 ; 384.997,229 385.8,228.197 ; 385.475,180.1 386.4,179.175 ; 385.475,181.077 385.475,181.177 ; 385.8,180.235 386.535,179.5 ; 385.8,180.752 385.925,180.877 386.022,180.877 386.147,181.002 386.147,181.252 386.022,181.377 385.925,181.377 385.8,181.502 ; 386.275,199.253 387.848,197.68 ; 386.275,223.675 389.3,226.7 ; 386.6,199.388 387.945,198.043 ; 386.6,223.54 389.435,226.375 ; 387.075,202.454 387.814,201.715 387.814,201.394 387.877,201.331 387.877,201.277 388.384,200.77 388.66,200.77 ; 387.075,221.141 388.434,222.5 ; 387.4,202.589 387.949,202.04 ; 387.4,221.006 388.569,222.175 ; 388.05,179.175 388.175,179.05 388.175,178.945 388.66,178.46 ; 388.079,197.642 388.166,197.555 388.166,197.454 388.66,196.96 ; 388.139,202.04 388.66,202.04 ; 388.325,261.075 396.2,253.2 ; 388.366,198.005 388.435,198.005 388.66,198.23 ; 388.375,179.5 388.43,179.5 388.66,179.73 ; 388.46,261.4 396.525,253.335 ; 388.548,217.601 388.124,217.177 388.124,216.805 388.125,216.804 388.125,216.282 388.344,216.063 388.344,215.776 388.66,215.46 ; 388.66,216.73 388.66,217.253 ; 388.66,219.27 388.66,219.678 388.358,219.98 388.237,219.98 388.125,220.092 388.125,220.988 388.237,221.1 388.837,221.1 389.162,221.425 ; 388.66,220.54 388.737,220.54 389.297,221.1 ; 388.736,217.682 388.992,217.938 ; 388.79,217.276 389.127,217.613 ; 389.72,178.46 390.218,178.46 390.343,178.585 390.343,178.807 390.401,178.865 ; 389.72,179.73 390.218,179.73 390.343,179.605 390.343,179.382 390.401,179.324 ; 389.72,196.96 390.218,196.96 390.343,197.085 390.343,197.307 390.401,197.365 ; 389.72,198.23 390.218,198.23 390.343,198.105 390.343,197.882 390.401,197.824 ; 389.72,200.77 390.218,200.77 390.343,200.895 390.343,201.117 390.401,201.175 ; 389.72,202.04 390.218,202.04 390.343,201.915 390.343,201.692 390.401,201.634 ; 389.72,215.46 390.218,215.46 390.343,215.585 390.343,215.807 390.401,215.865 ; 389.72,216.73 390.218,216.73 390.343,216.605 390.343,216.382 390.401,216.324 ; 389.72,219.27 390.218,219.27 390.343,219.395 390.343,219.617 390.401,219.675 ; 389.72,220.54 390.218,220.54 390.343,220.415 390.343,220.192 390.401,220.134 ; 391.355,178.865 391.56,178.66 ; 391.355,179.324 391.56,179.529 ; 391.355,197.365 391.56,197.16 ; 391.355,197.824 391.56,198.029 ; 391.355,201.175 391.56,200.97 ; 391.355,201.634 391.56,201.839 ; 391.355,215.865 391.56,215.66 ; 391.355,216.324 391.56,216.529 ; 391.355,219.675 391.56,219.47 ; 391.355,220.134 391.56,220.339 ; 393.404,222.5 393.529,222.625 393.529,222.85 393.654,222.975 393.904,222.975 394.029,222.85 394.029,222.625 394.154,222.5 ; 393.682,217.613 393.807,217.488 393.807,216.712 393.932,216.587 394.182,216.587 394.307,216.712 394.307,217.488 394.432,217.613 ; 393.729,222.175 393.829,222.175 ; 394.007,217.938 394.107,217.938 ; 394.682,217.613 394.807,217.488 394.807,216.712 394.932,216.587 395.182,216.587 395.307,216.712 395.307,217.488 395.432,217.613 ; 394.725,261.875 397,259.6 ; 394.86,262.2 397.325,259.735 ; 395,226.7 396.2,227.9 ; 395.007,217.938 395.107,217.938 ; 395.135,226.375 396.525,227.765 ; 395.14,262.7 397.8,260.04 ; 395.275,263.025 398.125,260.175 ; 395.54,263.5 398.6,260.44 ; 395.6,222.5 397,223.9 ; 395.675,263.825 398.925,260.575 ; 395.735,222.175 397.325,223.765 ; 395.765,221.425 397.8,223.46 ; 395.9,221.1 398.125,223.325 ; 396.338,217.938 398.6,220.2 ; 396.473,217.613 398.925,220.065

## Text inside footprints (layer, text, board x,y; h text height)
C347: PIN_NUMBER "1" at 346.35,100.35 h0.8; PIN_NUMBER "2" at 346.33,97.15 h0.8
C348: PIN_NUMBER "1" at 370.35,100.35 h0.8; PIN_NUMBER "2" at 370.33,97.15 h0.8
C349: PIN_NUMBER "1" at 194.24,99.4 h0.8; PIN_NUMBER "2" at 194.21,97.6 h0.8
C350: PIN_NUMBER "1" at 204.24,94.9 h0.8; PIN_NUMBER "2" at 204.21,93.1 h0.8
C351: PIN_NUMBER "1" at 228.23,93.1 h0.8 r180; PIN_NUMBER "2" at 228.26,94.9 h0.8 r180
C352: PIN_NUMBER "1" at 252.23,93.1 h0.8 r180; PIN_NUMBER "2" at 252.26,94.9 h0.8 r180
C353: PIN_NUMBER "1" at 276.23,93.1 h0.8 r180; PIN_NUMBER "2" at 276.26,94.9 h0.8 r180
C354: PIN_NUMBER "1" at 300.23,93.1 h0.8 r180; PIN_NUMBER "2" at 300.26,94.9 h0.8 r180
C355: PIN_NUMBER "1" at 324.23,93.1 h0.8 r180; PIN_NUMBER "2" at 324.26,94.9 h0.8 r180
C356: PIN_NUMBER "1" at 348.23,93.1 h0.8 r180; PIN_NUMBER "2" at 348.26,94.9 h0.8 r180
C357: PIN_NUMBER "1" at 226.25,92.48 h0.8 r180; PIN_NUMBER "2" at 226.31,93.63 h0.8 r180
C358: PIN_NUMBER "1" at 250.25,92.48 h0.8 r180; PIN_NUMBER "2" at 250.31,93.63 h0.8 r180
C359: PIN_NUMBER "1" at 274.25,92.48 h0.8 r180; PIN_NUMBER "2" at 274.31,93.63 h0.8 r180
C360: PIN_NUMBER "1" at 298.25,92.48 h0.8 r180; PIN_NUMBER "2" at 298.31,93.63 h0.8 r180
C361: PIN_NUMBER "1" at 322.25,92.48 h0.8 r180; PIN_NUMBER "2" at 322.31,93.63 h0.8 r180
C362: PIN_NUMBER "1" at 370.25,92.48 h0.8 r180; PIN_NUMBER "2" at 370.31,93.63 h0.8 r180
C364: PIN_NUMBER "1" at 346.25,92.23 h0.8 r180; PIN_NUMBER "2" at 346.31,93.38 h0.8 r180
C365: PIN_NUMBER "1" at 199.97,90.77 h0.8; PIN_NUMBER "2" at 199.91,89.62 h0.8
C366: PIN_NUMBER "1" at 225.47,89.52 h0.8; PIN_NUMBER "2" at 225.41,88.37 h0.8
C367: PIN_NUMBER "1" at 249.47,89.52 h0.8; PIN_NUMBER "2" at 249.41,88.37 h0.8
C368: PIN_NUMBER "1" at 273.47,89.52 h0.8; PIN_NUMBER "2" at 273.41,88.37 h0.8
C369: PIN_NUMBER "1" at 297.47,89.52 h0.8; PIN_NUMBER "2" at 297.41,88.37 h0.8
C370: PIN_NUMBER "1" at 321.47,89.52 h0.8; PIN_NUMBER "2" at 321.41,88.37 h0.8
C371: PIN_NUMBER "1" at 345.47,89.52 h0.8; PIN_NUMBER "2" at 345.41,88.37 h0.8
C372: PIN_NUMBER "1" at 369.47,89.52 h0.8; PIN_NUMBER "2" at 369.41,88.37 h0.8
C373: PIN_NUMBER "1" at 226.99,88.9 h0.8; PIN_NUMBER "2" at 226.96,87.1 h0.8
C374: PIN_NUMBER "1" at 250.99,88.9 h0.8; PIN_NUMBER "2" at 250.96,87.1 h0.8
C375: PIN_NUMBER "1" at 274.99,88.9 h0.8; PIN_NUMBER "2" at 274.96,87.1 h0.8
C376: PIN_NUMBER "1" at 298.99,88.9 h0.8; PIN_NUMBER "2" at 298.96,87.1 h0.8
C377: PIN_NUMBER "1" at 322.99,88.9 h0.8; PIN_NUMBER "2" at 322.96,87.1 h0.8
C378: PIN_NUMBER "1" at 346.99,88.9 h0.8; PIN_NUMBER "2" at 346.96,87.1 h0.8
C379: PIN_NUMBER "1" at 370.99,88.9 h0.8; PIN_NUMBER "2" at 370.96,87.1 h0.8
C380: PIN_NUMBER "1" at 228.37,81.65 h0.8 r180; PIN_NUMBER "2" at 228.39,84.85 h0.8 r180
C381: PIN_NUMBER "1" at 252.37,81.65 h0.8 r180; PIN_NUMBER "2" at 252.39,84.85 h0.8 r180
C382: PIN_NUMBER "1" at 276.37,81.65 h0.8 r180; PIN_NUMBER "2" at 276.39,84.85 h0.8 r180
C383: PIN_NUMBER "1" at 300.37,81.65 h0.8 r180; PIN_NUMBER "2" at 300.39,84.85 h0.8 r180
C384: PIN_NUMBER "1" at 324.37,81.65 h0.8 r180; PIN_NUMBER "2" at 324.39,84.85 h0.8 r180
C385: PIN_NUMBER "1" at 348.37,81.65 h0.8 r180; PIN_NUMBER "2" at 348.39,84.85 h0.8 r180
C386: PIN_NUMBER "1" at 372.37,81.65 h0.8 r180; PIN_NUMBER "2" at 372.39,84.85 h0.8 r180
C387: PIN_NUMBER "1" at 193.38,80.89 h0.8 r270; PIN_NUMBER "2" at 192.23,80.95 h0.8 r270
C389: PIN_NUMBER "1" at 192.76,79.12 h0.8 r270; PIN_NUMBER "2" at 190.96,79.15 h0.8 r270
C390: PIN_NUMBER "1" at 226.35,76.35 h0.8; PIN_NUMBER "2" at 226.33,73.15 h0.8
C391: PIN_NUMBER "1" at 250.35,76.35 h0.8; PIN_NUMBER "2" at 250.33,73.15 h0.8
C392: PIN_NUMBER "1" at 274.35,76.35 h0.8; PIN_NUMBER "2" at 274.33,73.15 h0.8
C393: PIN_NUMBER "1" at 298.35,76.35 h0.8; PIN_NUMBER "2" at 298.33,73.15 h0.8
C394: PIN_NUMBER "1" at 322.35,76.35 h0.8; PIN_NUMBER "2" at 322.33,73.15 h0.8
C395: PIN_NUMBER "1" at 346.35,76.35 h0.8; PIN_NUMBER "2" at 346.33,73.15 h0.8
C396: PIN_NUMBER "1" at 370.35,76.35 h0.8; PIN_NUMBER "2" at 370.33,73.15 h0.8
C397: PIN_NUMBER "1" at 204.24,70.9 h0.8; PIN_NUMBER "2" at 204.21,69.1 h0.8
C398: PIN_NUMBER "1" at 228.23,69.1 h0.8 r180; PIN_NUMBER "2" at 228.26,70.9 h0.8 r180
C399: PIN_NUMBER "1" at 252.23,69.1 h0.8 r180; PIN_NUMBER "2" at 252.26,70.9 h0.8 r180
C400: PIN_NUMBER "1" at 276.23,69.1 h0.8 r180; PIN_NUMBER "2" at 276.26,70.9 h0.8 r180
C401: PIN_NUMBER "1" at 300.23,69.1 h0.8 r180; PIN_NUMBER "2" at 300.26,70.9 h0.8 r180
C402: PIN_NUMBER "1" at 324.23,69.1 h0.8 r180; PIN_NUMBER "2" at 324.26,70.9 h0.8 r180
C403: PIN_NUMBER "1" at 348.23,69.1 h0.8 r180; PIN_NUMBER "2" at 348.26,70.9 h0.8 r180
C404: PIN_NUMBER "1" at 226.25,68.48 h0.8 r180; PIN_NUMBER "2" at 226.31,69.63 h0.8 r180
C405: PIN_NUMBER "1" at 250.25,68.48 h0.8 r180; PIN_NUMBER "2" at 250.31,69.63 h0.8 r180
C406: PIN_NUMBER "1" at 274.25,68.48 h0.8 r180; PIN_NUMBER "2" at 274.31,69.63 h0.8 r180
C407: PIN_NUMBER "1" at 298.25,68.48 h0.8 r180; PIN_NUMBER "2" at 298.31,69.63 h0.8 r180
C408: PIN_NUMBER "1" at 322.25,68.48 h0.8 r180; PIN_NUMBER "2" at 322.31,69.63 h0.8 r180
C409: PIN_NUMBER "1" at 346.25,68.48 h0.8 r180; PIN_NUMBER "2" at 346.31,69.63 h0.8 r180
C410: PIN_NUMBER "1" at 370.25,68.48 h0.8 r180; PIN_NUMBER "2" at 370.31,69.63 h0.8 r180
C411: PIN_NUMBER "1" at 225.47,65.52 h0.8; PIN_NUMBER "2" at 225.41,64.37 h0.8
C412: PIN_NUMBER "1" at 249.47,65.52 h0.8; PIN_NUMBER "2" at 249.41,64.37 h0.8
C413: PIN_NUMBER "1" at 273.47,65.52 h0.8; PIN_NUMBER "2" at 273.41,64.37 h0.8
C414: PIN_NUMBER "1" at 297.47,65.52 h0.8; PIN_NUMBER "2" at 297.41,64.37 h0.8
C415: PIN_NUMBER "1" at 321.47,65.52 h0.8; PIN_NUMBER "2" at 321.41,64.37 h0.8
C416: PIN_NUMBER "1" at 345.47,65.52 h0.8; PIN_NUMBER "2" at 345.41,64.37 h0.8
C417: PIN_NUMBER "1" at 369.47,65.52 h0.8; PIN_NUMBER "2" at 369.41,64.37 h0.8
C418: PIN_NUMBER "1" at 226.99,64.9 h0.8; PIN_NUMBER "2" at 226.96,63.1 h0.8
C419: PIN_NUMBER "1" at 250.99,64.9 h0.8; PIN_NUMBER "2" at 250.96,63.1 h0.8
C420: PIN_NUMBER "1" at 274.99,64.9 h0.8; PIN_NUMBER "2" at 274.96,63.1 h0.8
C421: PIN_NUMBER "1" at 298.99,64.9 h0.8; PIN_NUMBER "2" at 298.96,63.1 h0.8
C422: PIN_NUMBER "1" at 322.99,64.9 h0.8; PIN_NUMBER "2" at 322.96,63.1 h0.8
C423: PIN_NUMBER "1" at 346.99,64.9 h0.8; PIN_NUMBER "2" at 346.96,63.1 h0.8
C424: PIN_NUMBER "1" at 370.99,64.9 h0.8; PIN_NUMBER "2" at 370.96,63.1 h0.8
C425: PIN_NUMBER "1" at 228.37,57.65 h0.8 r180; PIN_NUMBER "2" at 228.39,60.85 h0.8 r180
C426: PIN_NUMBER "1" at 252.37,57.65 h0.8 r180; PIN_NUMBER "2" at 252.39,60.85 h0.8 r180
C427: PIN_NUMBER "1" at 276.37,57.65 h0.8 r180; PIN_NUMBER "2" at 276.39,60.85 h0.8 r180
C428: PIN_NUMBER "1" at 300.37,57.65 h0.8 r180; PIN_NUMBER "2" at 300.39,60.85 h0.8 r180
C429: PIN_NUMBER "1" at 324.37,57.65 h0.8 r180; PIN_NUMBER "2" at 324.39,60.85 h0.8 r180
C430: PIN_NUMBER "1" at 348.37,57.65 h0.8 r180; PIN_NUMBER "2" at 348.39,60.85 h0.8 r180
C431: PIN_NUMBER "1" at 372.37,57.65 h0.8 r180; PIN_NUMBER "2" at 372.39,60.85 h0.8 r180
C432: PIN_NUMBER "1" at 196.35,101.6 h0.8; PIN_NUMBER "2" at 196.33,98.4 h0.8
C433: PIN_NUMBER "1" at 232.76,51.52 h0.8 r90; PIN_NUMBER "2" at 235.96,51.5 h0.8 r90
C434: PIN_NUMBER "1" at 267.76,51.52 h0.8 r90; PIN_NUMBER "2" at 270.96,51.5 h0.8 r90
C435: PIN_NUMBER "1" at 303.76,51.52 h0.8 r90; PIN_NUMBER "2" at 306.96,51.5 h0.8 r90
C436: PIN_NUMBER "1" at 339.76,51.52 h0.8 r90; PIN_NUMBER "2" at 342.96,51.5 h0.8 r90
C437: PIN_NUMBER "1" at 217.35,249.1 h0.8; PIN_NUMBER "2" at 217.33,245.9 h0.8
C438: PIN_NUMBER "1" at 393.35,95.6 h0.8; PIN_NUMBER "2" at 393.33,92.4 h0.8
C439: PIN_NUMBER "1" at 375.76,51.52 h0.8 r90; PIN_NUMBER "2" at 378.96,51.5 h0.8 r90
C440: PIN_NUMBER "1" at 205.96,38.48 h0.8 r270; PIN_NUMBER "2" at 202.76,38.5 h0.8 r270
C441: PIN_NUMBER "1" at 232.76,39.52 h0.8 r90; PIN_NUMBER "2" at 235.96,39.5 h0.8 r90
C442: PIN_NUMBER "1" at 241.96,42.48 h0.8 r270; PIN_NUMBER "2" at 238.76,42.5 h0.8 r270
C443: PIN_NUMBER "1" at 267.76,39.52 h0.8 r90; PIN_NUMBER "2" at 270.96,39.5 h0.8 r90
C444: PIN_NUMBER "1" at 276.96,42.48 h0.8 r270; PIN_NUMBER "2" at 273.76,42.5 h0.8 r270
C445: PIN_NUMBER "1" at 303.76,39.52 h0.8 r90; PIN_NUMBER "2" at 306.96,39.5 h0.8 r90
C446: PIN_NUMBER "1" at 312.96,42.48 h0.8 r270; PIN_NUMBER "2" at 309.76,42.5 h0.8 r270
C447: PIN_NUMBER "1" at 339.76,39.52 h0.8 r90; PIN_NUMBER "2" at 342.96,39.5 h0.8 r90
C448: PIN_NUMBER "1" at 348.96,42.48 h0.8 r270; PIN_NUMBER "2" at 345.76,42.5 h0.8 r270
C449: PIN_NUMBER "1" at 375.76,39.52 h0.8 r90; PIN_NUMBER "2" at 378.96,39.5 h0.8 r90
C450: PIN_NUMBER "1" at 261.97,254.73 h0.8 r180; PIN_NUMBER "2" at 261.91,255.88 h0.8 r180
C451: PIN_NUMBER "1" at 236.75,255.27 h0.8; PIN_NUMBER "2" at 236.81,254.12 h0.8
C452: PIN_NUMBER "1" at 383.97,254.23 h0.8 r180; PIN_NUMBER "2" at 383.91,255.38 h0.8 r180
C453: PIN_NUMBER "1" at 358.75,254.77 h0.8; PIN_NUMBER "2" at 358.81,253.62 h0.8
C454: PIN_NUMBER "1" at 322.97,254.23 h0.8 r180; PIN_NUMBER "2" at 322.91,255.38 h0.8 r180
C455: PIN_NUMBER "1" at 297.75,254.77 h0.8; PIN_NUMBER "2" at 297.81,253.62 h0.8
C456: PIN_NUMBER "1" at 383.97,250.23 h0.8 r180; PIN_NUMBER "2" at 383.91,251.38 h0.8 r180
C457: PIN_NUMBER "1" at 358.75,250.77 h0.8; PIN_NUMBER "2" at 358.81,249.62 h0.8
C458: PIN_NUMBER "1" at 322.97,250.23 h0.8 r180; PIN_NUMBER "2" at 322.91,251.38 h0.8 r180
C459: PIN_NUMBER "1" at 297.75,250.77 h0.8; PIN_NUMBER "2" at 297.81,249.62 h0.8
C460: PIN_NUMBER "1" at 261.97,250.23 h0.8 r180; PIN_NUMBER "2" at 261.91,251.38 h0.8 r180
C461: PIN_NUMBER "1" at 236.75,250.77 h0.8; PIN_NUMBER "2" at 236.81,249.62 h0.8
C462: PIN_NUMBER "1" at 350.09,248.39 h0.8 r90; PIN_NUMBER "2" at 351.24,248.45 h0.8 r90
C463: PIN_NUMBER "1" at 289.09,248.39 h0.8 r90; PIN_NUMBER "2" at 290.24,248.45 h0.8 r90
C464: PIN_NUMBER "1" at 228.09,248.39 h0.8 r90; PIN_NUMBER "2" at 229.24,248.45 h0.8 r90
C465: PIN_NUMBER "1" at 348.96,247.12 h0.8 r90; PIN_NUMBER "2" at 350.76,247.15 h0.8 r90
C466: PIN_NUMBER "1" at 287.96,247.12 h0.8 r90; PIN_NUMBER "2" at 289.76,247.15 h0.8 r90
C467: PIN_NUMBER "1" at 226.96,247.12 h0.8 r90; PIN_NUMBER "2" at 228.76,247.15 h0.8 r90
C468: PIN_NUMBER "1" at 383.97,239.23 h0.8 r180; PIN_NUMBER "2" at 383.91,240.38 h0.8 r180
C469: PIN_NUMBER "1" at 358.75,239.77 h0.8; PIN_NUMBER "2" at 358.81,238.62 h0.8
C470: PIN_NUMBER "1" at 322.97,239.23 h0.8 r180; PIN_NUMBER "2" at 322.91,240.38 h0.8 r180
C471: PIN_NUMBER "1" at 297.75,239.77 h0.8; PIN_NUMBER "2" at 297.81,238.62 h0.8
C472: PIN_NUMBER "1" at 261.97,239.23 h0.8 r180; PIN_NUMBER "2" at 261.91,240.38 h0.8 r180
C473: PIN_NUMBER "1" at 236.75,239.77 h0.8; PIN_NUMBER "2" at 236.81,238.62 h0.8
C474: PIN_NUMBER "1" at 189.9,238.43 h0.8 r90; PIN_NUMBER "2" at 191.05,238.49 h0.8 r90
C475: PIN_NUMBER "1" at 189.9,237.16 h0.8 r90; PIN_NUMBER "2" at 191.05,237.22 h0.8 r90
C476: PIN_NUMBER "1" at 383.97,234.23 h0.8 r180; PIN_NUMBER "2" at 383.91,235.38 h0.8 r180
C477: PIN_NUMBER "1" at 358.75,234.77 h0.8; PIN_NUMBER "2" at 358.81,233.62 h0.8
C478: PIN_NUMBER "1" at 322.97,234.23 h0.8 r180; PIN_NUMBER "2" at 322.91,235.38 h0.8 r180
C479: PIN_NUMBER "1" at 297.75,234.77 h0.8; PIN_NUMBER "2" at 297.81,233.62 h0.8
C480: PIN_NUMBER "1" at 261.97,234.23 h0.8 r180; PIN_NUMBER "2" at 261.91,235.38 h0.8 r180
C481: PIN_NUMBER "1" at 236.75,234.77 h0.8; PIN_NUMBER "2" at 236.81,233.62 h0.8
C482: PIN_NUMBER "1" at 190.44,233.84 h0.8 r270; PIN_NUMBER "2" at 189.29,233.78 h0.8 r270
C483: PIN_NUMBER "1" at 190.44,232.57 h0.8 r270; PIN_NUMBER "2" at 189.29,232.51 h0.8 r270
C484: PIN_NUMBER "1" at 381.59,232.39 h0.8 r90; PIN_NUMBER "2" at 382.74,232.45 h0.8 r90
C485: PIN_NUMBER "1" at 369.59,232.39 h0.8 r90; PIN_NUMBER "2" at 370.74,232.45 h0.8 r90
C486: PIN_NUMBER "1" at 360.59,232.39 h0.8 r90; PIN_NUMBER "2" at 361.74,232.45 h0.8 r90
C487: PIN_NUMBER "1" at 320.59,232.39 h0.8 r90; PIN_NUMBER "2" at 321.74,232.45 h0.8 r90
C488: PIN_NUMBER "1" at 308.59,232.39 h0.8 r90; PIN_NUMBER "2" at 309.74,232.45 h0.8 r90
C489: PIN_NUMBER "1" at 299.59,232.39 h0.8 r90; PIN_NUMBER "2" at 300.74,232.45 h0.8 r90
C490: PIN_NUMBER "1" at 259.59,232.39 h0.8 r90; PIN_NUMBER "2" at 260.74,232.45 h0.8 r90
C491: PIN_NUMBER "1" at 247.59,232.39 h0.8 r90; PIN_NUMBER "2" at 248.74,232.45 h0.8 r90
C492: PIN_NUMBER "1" at 238.59,232.39 h0.8 r90; PIN_NUMBER "2" at 239.74,232.45 h0.8 r90
C493: PIN_NUMBER "1" at 388.82,220.15 h0.8 r270; PIN_NUMBER "2" at 387.67,220.09 h0.8 r270
C494: PIN_NUMBER "1" at 388.82,218.88 h0.8 r270; PIN_NUMBER "2" at 387.67,218.82 h0.8 r270
C495: PIN_NUMBER "1" at 321.72,217.23 h0.8 r180; PIN_NUMBER "2" at 321.66,218.38 h0.8 r180
C496: PIN_NUMBER "1" at 297.72,217.23 h0.8 r180; PIN_NUMBER "2" at 297.66,218.38 h0.8 r180
C497: PIN_NUMBER "1" at 273.72,217.23 h0.8 r180; PIN_NUMBER "2" at 273.66,218.38 h0.8 r180
C498: PIN_NUMBER "1" at 249.72,217.23 h0.8 r180; PIN_NUMBER "2" at 249.66,218.38 h0.8 r180
C499: PIN_NUMBER "1" at 225.72,217.23 h0.8 r180; PIN_NUMBER "2" at 225.66,218.38 h0.8 r180